# Altium PCB ADAM202303_BACKDOOR.PcbDoc (part 1 of 2) (continued)
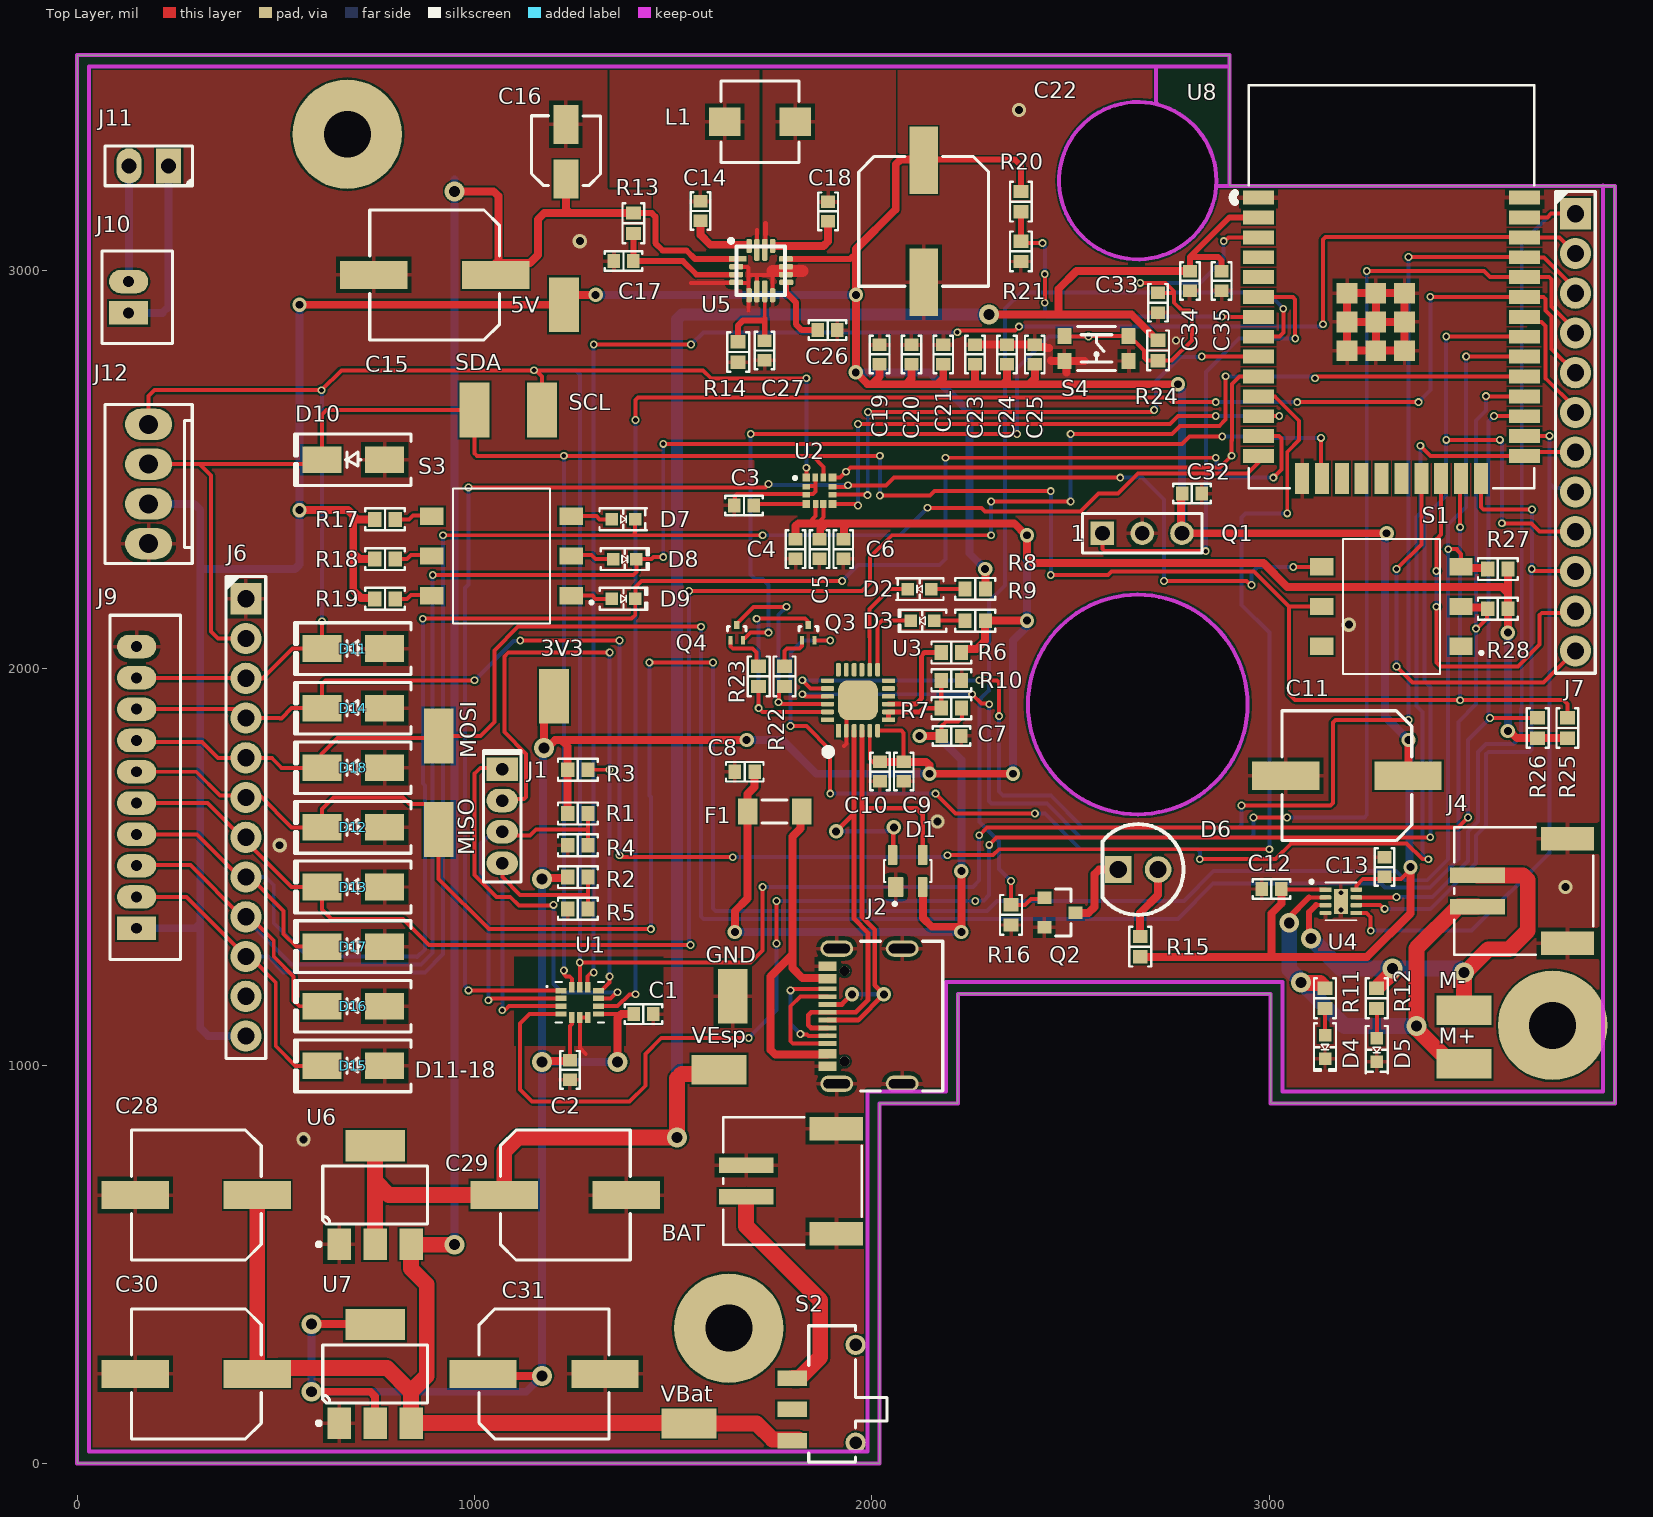
[diagram p0: Top Layer view]
## Part data (continued)
C17 C27: library part "CAP CER 22NF 15V 10% 0603", "CAP CER 22pF 15V 10% 0603, X7R", Device Package="0603 (1608 Metric)", manufacturer="Taiyo Yuden", Manufacturer Part Number 1=EMF107B7223KAHT, Operating Temperature="-55°C ~ 125°C", Ratings=AEC-Q200, Supplier Part Number 1=587-6552-1-ND, Temperature Coefficient=X7R, Tolerance=±10%, Voltage - Rated=16V, ADAM Inventory Number 1=E00057, Applications="Automotive, SMPS Filtering", Capacitance=22nF, componentlink1description=Datasheet, componentlink1url=https://ds.yuden.co.jp/TYCOMPAS/ut/detail?pn=EMF107B7223KAHT&u=M, componentlink2description="DigiKey Link", componentlink2url=https://www.digikey.com/en/products/detail/taiyo-yuden/EMF107B7223KAHT/10379118, lastupdated="2023-04-09 19:08:51", Lifecycle Status=Active, Minimum Order=1, Mounting Type="Surface Mount, MLCC", Package / Case="0603 (1608 Metric)", packaging=TapeAndReel, Part Status=Active, partid=4621, price=0.02, series=M, Size / Dimension="0.063\" L x 0.031\" W (1.60mm x 0.80mm)", Supplier 1=DigiKey, Thickness (Max)="0.035\" (0.90mm)"
C19 C20: library part "CAP 10UF 6.3V", "CAP CER 10UF 6.3V X5R 0603", Device Package="0603 (1608 Metric)", manufacturer="Murata Electronics", Manufacturer Part Number 1=GRM188R60J106ME47D, Operating Temperature="-55°C ~ 85°C", Supplier Part Number 1=490-3896-1-ND, Temperature Coefficient=X5R, Tolerance=±20%, Voltage - Rated=6.3V, ADAM Inventory Number 1=E00064, Applications="General Purpose", Capacitance="10 µF", componentlink1description=Datasheet, componentlink1url=https://www.murata.com/~/media/webrenewal/support/library/catalog/products/capacitor/mlcc/c02e.ashx?la=en-us, componentlink2description="DigiKey Link", componentlink2url=https://www.digikey.com/en/products/detail/murata-electronics/GRM188R60J106ME47D/965910, lastupdated="2023-03-30 19:09:15", Lifecycle Status=Active, Minimum Order=1, Mounting Type="Surface Mount, MLCC", Package / Case="0603 (1608 Metric)", packaging=TapeAndReel, Part Status=Active, partid=2351, price=0.02, series=GRM, Size / Dimension="0.063\" L x 0.031\" W (1.60mm x 0.80mm)", Supplier 1=DigiKey, Thickness (Max)="0.035\" (0.90mm)"
C23 C24 C25: library part "NA Cap 0603", "No capacitor, just in case", ADAM Inventory Number 1=E00080
C35: library part "CAP CER 10UF 6.3V", "CAP CER 10UF 6.3V X5R 0603", Device Package="0603 (1608 Metric)", manufacturer="Murata Electronics", Manufacturer Part Number 1=GRM188R60J106ME47D, Operating Temperature="-55°C ~ 85°C", Supplier Part Number 1=490-3896-1-ND, Temperature Coefficient=X5R, Tolerance=±20%, Voltage - Rated=6.3V, ADAM Inventory Number 1=E00059, Applications="General Purpose", Capacitance="10 µF", componentlink1description=Datasheet, componentlink1url=https://www.murata.com/~/media/webrenewal/support/library/catalog/products/capacitor/mlcc/c02e.ashx?la=en-us, componentlink2description="DigiKey Link", componentlink2url=https://www.digikey.com/en/products/detail/murata-electronics/GRM188R60J106ME47D/965910, lastupdated="2023-03-30 19:09:15", Lifecycle Status=Active, Minimum Order=1, Mounting Type="Surface Mount, MLCC", Package / Case="0603 (1608 Metric)", packaging=TapeAndReel, Part Status=Active, partid=2351, price=0.02, series=GRM, Size / Dimension="0.063\" L x 0.031\" W (1.60mm x 0.80mm)", Supplier 1=DigiKey, Thickness (Max)="0.035\" (0.90mm)"
D1: "8.5V Clamp Ipp Tvs Diode Surface Mount SOT-143-4", manufacturer=Littelfuse, Manufacturer Part Number 1=SP0503BAHTG, ADAM Inventory Number 1=E00006, Component Type=Diodes
D2 D5 D7: library part "0603 RED LED", "0603 RED LED", Current - Test=20mA, Device Package="0603 (1608 Metric)", Lens Color=Colorless, manufacturer="American Bright Optoelectronics Corporation", Manufacturer Part Number 1=BL-HUB36A-AV-TRB, Millicandela Rating=94mcd, Supplier Device Package=0603, Supplier Part Number 1=BL-HUB36A-AV-TRBCT-ND, Voltage - Forward (Vf) (Typ)=2.2V, ADAM Inventory Number 1=E00069, Color=Red, componentlink1description=Datasheet, componentlink1url=https://americanbrightled.com/pdffiles/smt/BL-HUB36A-AV-TRB.pdf, componentlink2description="DigiKey Link", componentlink2url=https://www.digikey.com/en/products/detail/american-bright-optoelectronics-corporation/BL-HUB36A-AV-TRB/9678174, Configuration=Standard, Height (Max)=0.70mm, lastupdated="2023-03-27 19:53:19", Lens Style="Rectangle with Flat Top", Lens Transparency=Clear, Lifecycle Status=Active, Minimum Order=1, Mounting Type="Surface Mount", Package / Case="0603 (1608 Metric)", packaging=TapeAndReel, Part Status=Active, partid=1020, price=0.04, series=-, Size / Dimension="1.60mm L x 0.80mm W", Supplier 1=DigiKey, Viewing Angle=120°, Wavelength - Dominant=632nm, Wavelength - Peak=645nm
D3: library part "0603 YELLOW LED", "0603 YELLOW", Current - Test=20mA, Device Package="0603 (1608 Metric)", Lens Color=Colorless, manufacturer="American Bright Optoelectronics Corporation", Manufacturer Part Number 1=BL-HKC36D-AV-TRB, Millicandela Rating=120mcd, Supplier Device Package=0603, Supplier Part Number 1=BL-HKC36D-AV-TRBCT-ND, Voltage - Forward (Vf) (Typ)=2V, ADAM Inventory Number 1=E00068, Color=Yellow, componentlink1description=Datasheet, componentlink1url=http://americanbrightled.com/pdffiles/smt/BL-HKC36D-AV-TRB.pdf, componentlink2description="DigiKey Link", componentlink2url=https://www.digikey.com/en/products/detail/american-bright-optoelectronics-corporation/BL-HKC36D-AV-TRB/9678175, Configuration=0603, Height (Max)=0.85mm, lastupdated="2023-03-27 19:54:01", Lens Size="0.87mm x 0.80mm", Lens Style="Rectangle with Flat Top", Lens Transparency=Clear, Lifecycle Status=Active, Minimum Order=1, Mounting Type="Surface Mount", Package / Case="0603 (1608 Metric)", packaging=TapeAndReel, Part Status=Active, partid=82, price=0.04, series=-, Size / Dimension="1.60mm L x 0.80mm W", Supplier 1=DigiKey, Viewing Angle=120°, Wavelength - Dominant=589nm, Wavelength - Peak=590nm
D4 D8: library part "0603 GREEN LED", "LED GREEN 0603 SMD", Current - Test=20mA, Device Package="0603 (1608 Metric)", Lens Color=1.24mm, manufacturer=Dialight, Manufacturer Part Number 1=5973316507F, Millicandela Rating=34mcd, Supplier Device Package=0603, Supplier Part Number 1=350-4373-1-ND, Voltage - Forward (Vf) (Typ)=2V, ADAM Inventory Number 1=E00070, Color=Green, componentlink1description=Datasheet, componentlink1url=http://www.dialightsignalsandcomponents.com/Assets/Drawings/2D_Drawings_DrawingDetailedSpec/NewDrawings/C18371C.pdf, componentlink2description="DigiKey Link", componentlink2url=https://www.digikey.com/en/products/detail/dialight/5973316507F/9385428, Configuration=Standard, Height (Max)=1.24mm, lastupdated="2023-03-27 19:52:49", Lens Style="Round with Domed Top", Lifecycle Status=Active, Minimum Order=1, Mounting Type="Surface Mount", Package / Case="0603 (1608 Metric)", packaging=TapeAndReel, Part Status=Active, partid=587, price=0.13, series=597, Size / Dimension="1.60mm L x 0.80mm W", Supplier 1=DigiKey, Wavelength - Dominant=560nm
D6: "Infrared (IR) Emitter 940nm 1.35V 100mA 80mW/sr @ 100mA 20° Radial, 5mm Dia (T 1 3/4)", ADAM Inventory Number 1=E00047, Manufacturer Part Number 1=TSAL6100
D9: library part "0603 BLUE LED", "Blue 470nm LED Indication - Discrete 3.3V 0603 (1608 Metric)", Manufacturer Part Number 1=APT1608LVBC/D, Supplier Part Number 1=754-1933-1-ND, ADAM Inventory Number 1=E00071, Supplier 1=Digi-Key
D10 D11 D12 D13 D14 D15 D16 D17 D18: "TVS DIODE 30.8V 49.9V DO214AC", Current - Peak Pulse (10/1000µs)=8.4A, manufacturer="Taiwan Semiconductor Corporation", Manufacturer Part Number 1="P4SMA36CA R3G", Operating Temperature="-55°C ~ 150°C (TJ)", Package / Case="DO-214AC, SMA", Power - Peak Pulse=400W, Power Line Protection=No, Supplier Device Package="DO-214AC (SMA)", Supplier Part Number 1=P4SMA36CAR3GCT-ND, Voltage - Breakdown (Min)=34.2V, Voltage - Clamping (Max) @ Ipp=49.9V, Voltage - Reverse Standoff (Typ)=30.8V, Applications="General Purpose", Bidirectional Channels=1, componentlink1description=Datasheet, componentlink1url=https://www.taiwansemi.com/products/datasheet/P4SMA%20SERIES_Q1705.pdf, componentlink2description="DigiKey Link", componentlink2url=http://digikey.com/product-detail/en/taiwan-semiconductor-corporation/P4SMA36CA-R3G/P4SMA36CAR3GCT-ND/7357928, lastupdated="2023-04-16 20:19:58", Lifecycle Status=Active, Minimum Order=1, Mounting Type="Surface Mount", packaging=TapeAndReel, Part Status=Active, partid=7281, price=0.11, series=P4SMA, Supplier 1=DigiKey, Type=Zener
F1: "FUSE BOARD MNT 500MA 125VAC/VDC", Breaking Capacity @ Rated Voltage=50A, Current Rating (Amps)=500mA, Device Package="1206 (3216 Metric)", manufacturer="Schurter Inc.", Manufacturer Part Number 1=3413.0113.22, Operating Temperature="-55°C ~ 90°C", Supplier Part Number 1=486-1675-1-ND, Voltage Rating - AC=125V, ADAM Inventory Number 1=E00043, Approval Agency=cURus, Approvals=cURus, componentlink1description=Datasheet, componentlink1url=http://www.schurterinc.com/bundles/snceschurter/epim/_ProdPool_/newDS/en/typ_USF_1206.pdf, componentlink2description="DigiKey Link", componentlink2url=http://digikey.com/product-detail/en/schurter-inc/3413.0113.22/486-1675-1-ND/2870075, Fuse Type="Board Mount (Cartridge Style Excluded)", lastupdated="2020-09-02 01:30:41", Lifecycle Status=Active, Melting I²t=0.02, Minimum Order=1, Mounting Type="Surface Mount", Package / Case="1206 (3216 Metric)", packaging=TapeAndReel, Part Status=Active, price=0.24, Response Time="Fast Blow", series="USF 1206", Size / Dimension="0.126\" L x 0.063\" W x 0.024\" H (3.20mm x 1.60mm x 0.60mm)", Supplier 1=DigiKey, Voltage Rating - DC=125V
J1: library part "CONN FEM HEADER 4POS", "CONN HDR 4POS 0.079 GOLD", Current Rating (Amps)=2A, Insulation Color=Black, manufacturer="Sullins Connector Solutions", Material Flammability Rating="UL94 V-0", Operating Temperature="-40°C ~ 105°C", Supplier Part Number 1=S5751-04-ND, ADAM Inventory Number 1=E00054, componentlink1description=Datasheet, componentlink1url=https://drawings-pdf.s3.amazonaws.com/10483.pdf, componentlink2description="DigiKey Link", componentlink2url=https://www.digikey.com/en/products/detail/sullins-connector-solutions/NPPN041BFCN-RC/804806, Connector Type=Header, Contact Finish - Mating=Gold, Contact Finish - Post=Gold, Contact Finish Thickness - Mating=Flash, Contact Length - Post="0.094\" (2.40mm)", Contact Type="Female Socket", Fastening Type=Push-Pull, Insulation Height="0.173\" (4.40mm)", lastupdated="2022-06-21 14:42:51", Lifecycle Status=Active, Manufacturer Part Number 1=NPPN041BFCN-RC, Minimum Order=1, Mounting Type="Through Hole", Number of Positions=4, Number of Positions Loaded=All, Number of Rows=1, packaging=Tube, Part Status=Active, Pitch - Mating="0.079\" (2.00mm)", price=0.30, series=-, Style="Board to Board", Supplier 1=DigiKey, Termination=Solder
J2: library part "USB C", "USB-C (USB TYPE-C) USB 2.0 Receptacle Connector 24 (16+8 Dummy) Position Surface Mount, Right Angle; Through Hole", Supplier Part Number 1=86AH2021, ADAM Inventory Number 1=E00005, Manufacturer Part Number 1=USB4105-GF-A, Supplier 1=Newark
J6 J7: library part "12PO FEM HEADER", "CONN RCPT 12POS 0.1 GOLD PCB", Current Rating (Amps)=3A, Insulation Color=Black, manufacturer="Harwin Inc.", Material Flammability Rating="UL94 V-0", Operating Temperature="-40°C ~ 105°C", Supplier Part Number 1=S6100-ND, ADAM Inventory Number 1=E00067, componentlink1description=Datasheet, componentlink1url=https://cdn.harwin.com/pdfs/C001XX_M20_Series_Connectors.pdf, componentlink2description="DigiKey Link", componentlink2url=http://digikey.com/product-detail/en/harwin-inc/M20-7821242/952-1852-ND/3727819, Connector Type=Receptacle, Contact Finish - Mating=Gold, Contact Finish - Post=Tin, Contact Finish Thickness - Mating=Flash, Contact Type="Female Socket", Fastening Type=Push-Pull, lastupdated="2022-09-21 18:59:31", Lifecycle Status=Active, Manufacturer Part Number 1=PPTC121LFBN-RC, Mated Stacking Heights="11.04mm, 12.63mm", Minimum Order=5004, Mounting Type="Through Hole", Number of Positions=12, Number of Positions Loaded=All, Number of Rows=1, packaging=Tube, Part Status=Active, price=0.74, series=M20, Style="Board to Board or Cable", Supplier 1=Digi-Key, Termination=Solder
J9: library part "CONN JST 10POS TH", "CONN HEADER VERT 10POS 2MM", Current Rating (Amps)=2A, Insulation Color=Natural, manufacturer="JST Sales America Inc.", Material Flammability Rating="UL94 V-0", Operating Temperature="-25°C ~ 85°C", Supplier Part Number 1=455-1712-ND, Voltage Rating=100V, ADAM Inventory Number 1=E00053, componentlink1description=Datasheet, componentlink1url=http://www.jst-mfg.com/product/pdf/eng/ePH.pdf, componentlink2description="DigiKey Link", componentlink2url=http://digikey.com/product-detail/en/jst-sales-america-inc/B10B-PH-K-S-LF-SN/455-1712-ND/926619, Connector Type=Header, Contact Finish - Mating=Tin, Contact Finish - Post=Tin, Contact Length - Mating="0.130\" (3.30mm)", Contact Length - Post="0.134\" (3.40mm)", Contact Material=Brass, Contact Shape=Square, Contact Type="Male Pin", Fastening Type="Detent Lock", Insulation Height="0.236\" (6.00mm)", Insulation Material="Polyamide (PA66), Nylon 6/6", lastupdated="2020-01-12 22:31:09", Lifecycle Status=Active, Manufacturer Part Number 1=B10B-PH-K-S(LF)(SN), Minimum Order=1, Mounting Type="Through Hole", Number of Positions=10, Number of Positions Loaded=All, Number of Rows=1, Overall Contact Length="0.333\" (8.45mm)", packaging=Bulk, Part Status=Active, partid=33, Pitch - Mating="0.079\" (2.00mm)", price=0.46, series=PH, Shrouding="Shrouded - 4 Wall", Style="Board to Cable/Wire", Supplier 1=DigiKey, Termination="Press-Fit, Solder"
J10: library part "CONN JST 2PIN TH", "CONN HEADER VERT 2POS 2MM", Current Rating (Amps)=2A, Insulation Color=Natural, manufacturer="JST Sales America Inc.", Material Flammability Rating="UL94 V-0", Operating Temperature="-25°C ~ 85°C", Supplier Part Number 1=455-1704-ND, Voltage Rating=100V, ADAM Inventory Number 1=E00051, componentlink1description=Datasheet, componentlink1url=http://www.jst-mfg.com/product/pdf/eng/ePH.pdf, componentlink2description="DigiKey Link", componentlink2url=http://digikey.com/product-detail/en/jst-sales-america-inc/B2B-PH-K-S-LF-SN/455-1704-ND/926611, Connector Type=Header, Contact Finish - Mating=Tin, Contact Finish - Post=Tin, Contact Length - Mating="0.130\" (3.30mm)", Contact Length - Post="0.134\" (3.40mm)", Contact Material=Brass, Contact Shape=Square, Contact Type="Male Pin", Fastening Type="Detent Lock", Insulation Height="0.236\" (6.00mm)", Insulation Material="Polyamide (PA66), Nylon 6/6", lastupdated="2020-01-03 23:40:58", Lifecycle Status=Active, Manufacturer Part Number 1=B2B-PH-K-S(LF)(SN), Minimum Order=1, Mounting Type="Through Hole", Number of Positions=2, Number of Positions Loaded=All, Number of Rows=1, Overall Contact Length="0.333\" (8.45mm)", packaging=Bulk, Part Status=Active, partid=11, Pitch - Mating="0.079\" (2.00mm)", price=0.17, series=PH, Shrouding="Shrouded - 4 Wall", Style="Board to Cable/Wire", Supplier 1=DigiKey, Termination="Press-Fit, Solder"
J11: library part "CONN FEM HEADER 2POS", "CONN RCPT 2POS 0.1 TIN", Current Rating (Amps)="5.7A per Contact", Insulation Color=Black, manufacturer="Samtec Inc.", Material Flammability Rating="UL94 V-0", Operating Temperature="-55°C ~ 105°C", Supplier Part Number 1=SSW-102-03-T-S-ND, ADAM Inventory Number 1=E00055, componentlink2description="DigiKey Link", componentlink2url=http://digikey.com/product-detail/en/samtec-inc/SSW-102-03-T-S/SSW-102-03-T-S-ND/7873010, Connector Type=Receptacle, Contact Finish - Mating=Tin, Contact Finish - Post=Tin, Contact Type=Forked, Fastening Type=Push-Pull, lastupdated="2022-06-21 15:06:02", Lifecycle Status=Active, Manufacturer Part Number 1=SSW-102-03-T-S, Minimum Order=1, Mounting Type="Through Hole", Number of Positions=2, Number of Positions Loaded=All, Number of Rows=1, packaging=Bulk, Part Status=Active, price=0.53, series=SSW, Style="Board to Board or Cable", Supplier 1=DigiKey, Termination=Solder
J12: Manufacturer Part Number 1=0022272041, Supplier Part Number 1=538-22-27-2041, ADAM Inventory Number 1=E00077, Supplier 1=Mouser
L1: library part "IND 4.7UH 4.6A", "FIXED IND 4.7UH 4.6A 53 MOHM SMD", Current - Saturation=6A, Current Rating (Amps)="4.6 A", DC Resistance (DCR)="53mOhm Max", Device Package=Nonstandard, Inductance Frequency - Test="100 kHz", manufacturer="Bourns Inc.", Manufacturer Part Number 1=SRP5030T-4R7M, Operating Temperature="-40°C ~ 125°C", Supplier Part Number 1=SRP5030T-4R7MCT-ND, Tolerance=±20%, ADAM Inventory Number 1=E00042, componentlink1description=Datasheet, componentlink1url=https://www.bourns.com/docs/Product-Datasheets/SRP5030T.pdf, componentlink2description="DigiKey Link", componentlink2url=https://www.digikey.com/en/products/detail/bourns-inc/SRP5030T-4R7M/3986084, Height - Seated (Max)="0.118\" (3.00mm)", Inductance="4.7 µH", lastupdated="2023-04-08 20:02:33", Lifecycle Status=Active, Material - Core="Iron Powder", Minimum Order=1, Mounting Type="Surface Mount", Package / Case=Nonstandard, packaging=TapeAndReel, Part Status=Active, partid=1, price=0.61, series=SRP5030T, Shielding=Shielded, Size / Dimension="0.224\" L x 0.205\" W (5.70mm x 5.20mm)", Supplier 1=DigiKey, Type="Drum Core, Wirewound"
Q1: library part "TSSP4038IR Sensor", "Remote Receiver Sensor 38.0kHz 45m Through Hole", Supplier Part Number 1=TSSP4038-ND, ADAM Inventory Number 1=E00079, Manufacturer Part Number 1=TSSP4038, Supplier 1=Digi-Key
Q2: library part "TRANS N-CHANNEL 30V 5.8A SOT23", "N-Channel 5.8A (Tj) 350mW Surface Mount SOT-23", manufacturer=MCC, Manufacturer Part Number 1=SI3404-TP, Supplier Part Number 1=DMN3051LDICT-ND, ADAM Inventory Number 1=E00008, Component Type=Transistors, Design Item ID="TRANS N-CHANNEL 30V 5.8A SOT23", Source=IC_Component.SchLib, Supplier 1=Digi-Key
Q3 Q4: library part "TRANS NPN 40V", "TRANS NPN 40V 0.6A SOT-723", Current - Collector (Ic) (Max)=600mA, Current - Collector Cutoff (Max)="10nA (ICBO)", DC Current Gain (hFE) (Min) @ Ic, Vce="100 @ 150mA, 10V", Frequency - Transition=300MHz, manufacturer="ON Semiconductor", Operating Temperature="-55°C ~ 150°C (TJ)", Package / Case=SOT-723, Power - Max=640mW, Supplier Part Number 1=MMBT2222AM3T5GOSCT-ND, Voltage - Collector Emitter Breakdown (Max)=40V, ADAM Inventory Number 1=E00007, componentlink1description=Datasheet, componentlink1url=http://www.onsemi.com/pub/Collateral/MMBT2222AM3-D.PDF, componentlink2description="DigiKey Link", componentlink2url=http://digikey.com/product-detail/en/on-semiconductor/MMBT2222AM3T5G/MMBT2222AM3T5GOSCT-ND/3487571, lastupdated="2023-03-28 20:16:11", Lifecycle Status=Active, Manufacturer Part Number 1=MMBT2222AM3T5G, Minimum Order=1, Mounting Type="Surface Mount", packaging=TapeAndReel, Part Status=Active, partid=22, price=0.03, series=-, Supplier 1=DigiKey, Supplier Device Package=SOT-723, Transistor Type=NPN, Vce Saturation (Max) @ Ib, Ic="1V @ 50mA, 500mA"
R1 R2 R3 R4 R5: library part "NA Res 0603", "No resistance, just in case", Manufacturer Part Number 1=RC0603JR-070RL, Supplier Part Number 1=311-0.0GRCT-ND, ADAM Inventory Number 1=E00032, Supplier 1=Digi-Key
R6 R9: library part "RES SMD 1K OHM", "RES 1K OHM 1% 1/4W 0603", Device Package="0603 (1608 Metric)", manufacturer=Yageo, Manufacturer Part Number 1=SR0603FR-7T1KL, Operating Temperature="-55°C ~ 155°C", Power (Watts)="0.25W, 1/4W", Ratings=AEC-Q200, Supplier Device Package=0603, Supplier Part Number 1=YAG5829CT-ND, Temperature Coefficient=±100ppm/°C, Tolerance=±1%, ADAM Inventory Number 1=E00028, componentlink1description=Datasheet, componentlink1url=http://www.yageo.com/documents/recent/PYu-SR_D_F%20tol_RoHS_L_4.pdf, componentlink2description="DigiKey Link", componentlink2url=https://www.digikey.com/en/products/detail/yageo/SR0603FR-7T1KL/9373103, Composition="Thick Film", Features="Automotive AEC-Q200, Pulse Withstanding", Height - Seated (Max)="0.022\" (0.55mm)", lastupdated="2023-03-28 19:29:47", Lifecycle Status=Active, Minimum Order=1, Number of Terminations=2, Package / Case="0603 (1608 Metric)", packaging=TapeAndReel, Part Status=Active, partid=10088, price=0.16, Resistance=1K, series=SR, Size / Dimension="0.063\" L x 0.031\" W (1.60mm x 0.80mm)", Supplier 1=DigiKey
R7: library part "RES SMD 22.1K OHM", "RES 22.1K OHM 1% 1/10W 0603", Device Package="0603 (1608 Metric)", manufacturer="Stackpole Electronics Inc", Manufacturer Part Number 1=RMCF0603FT22K1, Operating Temperature="-55°C ~ 155°C", Power (Watts)="0.1W, 1/10W", Ratings=AEC-Q200, Supplier Device Package=0603, Supplier Part Number 1=RMCF0603FT22K1CT-ND, Temperature Coefficient=±100ppm/°C, Tolerance=±1%, ADAM Inventory Number 1=E00027, componentlink1description=Datasheet, componentlink1url=https://www.seielect.com/catalog/sei-rmcf_rmcp.pdf, componentlink2description="DigiKey Link", componentlink2url=https://www.digikey.com/en/products/detail/stackpole-electronics-inc/RMCF0603FT22K1/1760764, Composition="Thick Film", Features="Automotive AEC-Q200", Height - Seated (Max)="0.022\" (0.55mm)", lastupdated="2023-03-27 19:26:47", Lifecycle Status=Active, Minimum Order=1, Number of Terminations=2, Package / Case="0603 (1608 Metric)", packaging=CutTape, Part Status=Active, partid=6076, price=0.01, Resistance=22.1K, series=RMCF, Size / Dimension="0.061\" L x 0.031\" W (1.55mm x 0.80mm)", Supplier 1=DigiKey
R8 R11 R12 R17 R18: library part "RES SMD 150 OHM", "RES SMD 150 OHM 0.1% 1/8W 0603", Device Package="0603 (1608 Metric)", manufacturer="Vishay Beyschlag", Manufacturer Part Number 1=RC0603FR-07150RL, Operating Temperature="-55°C ~ 155°C", Power (Watts)="0.125W, 1/8W", Ratings=AEC-Q200, Supplier Device Package=0603, Supplier Part Number 1=1201284, Temperature Coefficient=±25ppm/°C, Tolerance=±0.1%, ADAM Inventory Number 1=E00020, componentlink1description=Datasheet, componentlink1url=http://www.vishay.com/docs/28785/mcat_pre.pdf, componentlink2description="DigiKey Link", componentlink2url=http://digikey.com/product-detail/en/vishay-beyschlag/MCT0603MD1500BP100/MCT0603-150-MBCT-ND/2092134, Composition="Thin Film", Features="Anti-Sulfur, Automotive AEC-Q200", Height - Seated (Max)="0.022\" (0.55mm)", lastupdated="2023-04-04 19:29:46", Lifecycle Status=Active, Minimum Order=1, Number of Terminations=2, Package / Case="0603 (1608 Metric)", packaging=TapeAndReel, Part Status=Active, partid=5246, price=0.23, Resistance=150R, series="MCT AT - Precision", Size / Dimension="0.061\" L x 0.033\" W (1.55mm x 0.85mm)", Supplier 1="Future Electronics"
R10: library part "RES SMD 47K OHM", "RES SMD 47K OHM 5% 1/4W 0603", Device Package="0603 (1608 Metric)", manufacturer="Vishay Dale", Manufacturer Part Number 1=AC0603FR-0747KL, Operating Temperature="-55°C ~ 155°C", Power (Watts)="0.25W, 1/4W", Ratings=AEC-Q200, Supplier Device Package=0603, Supplier Part Number 1=8029293, Temperature Coefficient=±200ppm/°C, Tolerance=±5%, ADAM Inventory Number 1=E00017, componentlink1description=Datasheet, componentlink1url=http://www.vishay.com/docs/20065/rcse3.pdf, componentlink2description="DigiKey Link", componentlink2url=https://www.digikey.com/en/products/detail/vishay-dale/RCS060347K0JNEA/5866965, Composition="Thick Film", Features="Automotive AEC-Q200, Pulse Withstanding", Height - Seated (Max)="0.020\" (0.50mm)", lastupdated="2023-03-27 19:26:49", Lifecycle Status=Active, Minimum Order=1, Number of Terminations=2, Package / Case="0603 (1608 Metric)", packaging=TapeAndReel, Part Status=Active, partid=5445, price=0.02, Resistance=47K, series="RCS e3", Size / Dimension="0.061\" L x 0.033\" W (1.55mm x 0.85mm)", Supplier 1="Future Electronics"
R13: library part "RES SMD 499K OHM", "RES SMD 499K OHM 1% 1/4W 0603", Device Package="0603 (1608 Metric)", manufacturer="Vishay Dale", Manufacturer Part Number 1=RC0603FR-07499KL, Operating Temperature="-55°C ~ 155°C", Power (Watts)="0.25W, 1/4W", Ratings=AEC-Q200, Supplier Device Package=0603, Supplier Part Number 1=1580604, Temperature Coefficient=±100ppm/°C, Tolerance=±1%, ADAM Inventory Number 1=E00016, componentlink1description=Datasheet, componentlink1url=http://www.vishay.com/docs/20043/crcwhpe3.pdf, componentlink2description="DigiKey Link", componentlink2url=http://digikey.com/product-detail/en/vishay-dale/CRCW0603499KFKEAHP/541-499KSCT-ND/5326850, Composition="Thick Film", Features="Automotive AEC-Q200, Pulse Withstanding", Height - Seated (Max)="0.022\" (0.55mm)", lastupdated="2023-04-09 19:29:36", Lifecycle Status=Active, Minimum Order=1, Number of Terminations=2, Package / Case="0603 (1608 Metric)", packaging=TapeAndReel, Part Status=Active, partid=14787, price=0.02, Resistance=499K, series=CRCW-HP, Size / Dimension="0.063\" L x 0.033\" W (1.60mm x 0.85mm)", Supplier 1="Future Electronics"
R14: library part "RES SMD 21.5K OHM", "RES SMD 21.5K OHM 0.1% 1/5W 0603", Device Package="0603 (1608 Metric)", manufacturer="Panasonic Electronic Components", Manufacturer Part Number 1=CRCW0603321K5FKEA, Operating Temperature="-55°C ~ 155°C", Power (Watts)="0.2W, 1/5W", Ratings=AEC-Q200, Supplier Device Package=0603, Supplier Part Number 1=71-CRCW0603-21.5K-E3, Temperature Coefficient=±50ppm/°C, Tolerance=±0.1%, ADAM Inventory Number 1=E00018, componentlink1description=Datasheet, componentlink1url=https://industrial.panasonic.com/cdbs/www-data/pdf/RDM0000/AOA0000C328.pdf, componentlink2description="DigiKey Link", componentlink2url=https://www.digikey.com/en/products/detail/panasonic-electronic-components/ERJ-PB3B2152V/6212904, Composition="Thick Film", Features="Automotive AEC-Q200, Pulse Withstanding", Height - Seated (Max)="0.022\" (0.55mm)", lastupdated="2023-04-09 19:29:59", Lifecycle Status=Active, Minimum Order=1, Number of Terminations=2, Package / Case="0603 (1608 Metric)", packaging=TapeAndReel, Part Status=Active, partid=9207, price=0.02, Resistance=21.5K, series=ERJ-PB3, Size / Dimension="0.063\" L x 0.031\" W (1.60mm x 0.80mm)", Supplier 1=Mouser
R15: library part "RES SMD 30 OHM", "RES 30 OHM 1% 1/3W 0603", Device Package="0603 (1608 Metric)", manufacturer="KOA Speer Electronics, Inc.", Manufacturer Part Number 1=SG73P1JTTD30R0F, Operating Temperature="-55°C ~ 155°C", Power (Watts)="0.333W, 1/3W", Ratings=AEC-Q200, Supplier Device Package=0603, Supplier Part Number 1=2019-SG73P1JTTD30R0FCT-ND, Temperature Coefficient=±200ppm/°C, Tolerance=±1%, ADAM Inventory Number 1=E00026, componentlink1description=Datasheet, componentlink1url=https://www.koaspeer.com/pdfs/SG73P.pdf, componentlink2description="DigiKey Link", componentlink2url=https://www.digikey.com/en/products/detail/koa-speer-electronics-inc/SG73P1JTTD30R0F/10188343, Composition="Thick Film", Features="Automotive AEC-Q200, Pulse Withstanding", Height - Seated (Max)="0.022\" (0.55mm)", lastupdated="2023-04-03 19:29:12", Lifecycle Status=Active, Minimum Order=1, Number of Terminations=2, Package / Case="0603 (1608 Metric)", packaging=TapeAndReel, Part Status=Active, partid=62768, price=0.01, Resistance=30R, series=SG73P, Size / Dimension="0.063\" L x 0.031\" W (1.60mm x 0.80mm)", Supplier 1=DigiKey
R16 R22 R23 R24 R25 R26 R27 R28: library part "RES SMD 10K OHM", "RES SMD 10K OHM 1% 1/10W 0603", Device Package="0603 (1608 Metric)", manufacturer="Rohm Semiconductor", Manufacturer Part Number 1=RC0603FR-0710KL, Operating Temperature="-55°C ~ 155°C", Power (Watts)="0.25W, 1/4W", Ratings=AEC-Q200, Supplier Device Package=0603, Supplier Part Number 1=3349388, Temperature Coefficient=±100ppm/°C, Tolerance=±1%, ADAM Inventory Number 1=E00021, componentlink1description=Datasheet, componentlink1url=https://www.rohm.com/datasheet/ESR01MZPF/esr-e, componentlink2description="DigiKey Link", componentlink2url=https://www.digikey.com/en/products/detail/rohm-semiconductor/ESR03EZPF1002/1983429, Composition="Thick Film", Features="Automotive AEC-Q200, Pulse Withstanding", Height - Seated (Max)="0.022\" (0.55mm)", lastupdated="2023-03-27 19:26:49", Lifecycle Status=Active, Minimum Order=1, Number of Terminations=2, Package / Case="0603 (1608 Metric)", packaging=TapeAndReel, Part Status=Active, partid=5466, price=0.02, Resistance=10K, series=ESR, Size / Dimension="0.063\" L x 0.031\" W (1.60mm x 0.80mm)", Supplier 1="Future Electronics"
R19: library part "RES SMD 100 OHM", "RESISTOR 100 Ohm SMD 1% 1/10W", Device Package="0603 (1608 Metric)", manufacturer=Yageo, Manufacturer Part Number 1=AC0603FR-10100RL, Operating Temperature="-55°C ~ 155°C", Power (Watts)="0.1W, 1/10W", Ratings=AEC-Q200, Supplier Device Package=0603, Supplier Part Number 1=13-AC0603FR-10100RLCT-ND, Temperature Coefficient=±100ppm/°C, Tolerance=±1%, ADAM Inventory Number 1=E00023, componentlink1description=Datasheet, componentlink1url=https://www.yageo.com/upload/media/product/productsearch/datasheet/rchip/PYu-AC_51_RoHS_L_8.pdf, componentlink2description="DigiKey Link", componentlink2url=https://www.digikey.com/en/products/detail/yageo/AC0603FR-10100RL/14286596, Composition="Thick Film", Features="Automotive AEC-Q200", Height - Seated (Max)="0.022\" (0.55mm)", lastupdated="2023-04-09 19:28:34", Lifecycle Status=Active, Minimum Order=1, Number of Terminations=2, Package / Case="0603 (1608 Metric)", packaging=CutTape, Part Status=Active, partid=64201, price=0.01, Resistance=100R, series=AC, Size / Dimension="0.063\" L x 0.031\" W (1.60mm x 0.80mm)", Supplier 1=DigiKey
R20 R21: library part "RES SMD 100K OHM", "RES SMD 100K OHM 1% 1/4W 0603", Device Package="0603 (1608 Metric)", manufacturer="Vishay Dale", Manufacturer Part Number 1=RC0603FR-07100KL, Operating Temperature="-55°C ~ 155°C", Power (Watts)="0.25W, 1/4W", Ratings=AEC-Q200, Supplier Device Package=0603, Supplier Part Number 1=3697448, Temperature Coefficient=±100ppm/°C, Tolerance=±1%, ADAM Inventory Number 1=E00022, componentlink1description=Datasheet, componentlink1url=http://www.vishay.com/docs/20065/rcse3.pdf, componentlink2description="DigiKey Link", componentlink2url=https://www.digikey.com/en/products/detail/vishay-dale/RCS0603100KFKEA/5866946, Composition="Thick Film", Features="Automotive AEC-Q200, Pulse Withstanding", Height - Seated (Max)="0.020\" (0.50mm)", lastupdated="2023-03-27 19:26:49", Lifecycle Status=Active, Minimum Order=1, Number of Terminations=2, Package / Case="0603 (1608 Metric)", packaging=TapeAndReel, Part Status=Active, partid=5363, price=0.02, Resistance=100K, series="RCS e3", Size / Dimension="0.061\" L x 0.033\" W (1.55mm x 0.85mm)", Supplier 1="Future Electronics"
S1 S3: "Dip Switch SPST 3 Position Surface Mount Slide (Standard) Actuator 25mA 24VDC", manufacturer=CUI, Manufacturer Part Number 1=DS04-254-2-03BK-SMT, Supplier Part Number 1=653-A6S-3102-H, ADAM Inventory Number 1=E00009, Component Type=Switches, Design Item ID="Switch SLIDE SPDT 3 pos", Source=IC_Component.SchLib, Supplier 1=Mouser
S2: library part "SLIDE SWIT", "SMT 8.7 X 3.0 MM MINI SLIDE SWIT", Current Rating (Amps)="300mA (DC)", manufacturer="Würth Elektronik", Operating Temperature="-40°C ~ 85°C", Rated Current=300mA, Rated Voltage=5VDC, Supplier Part Number 1=732-450405020524CT-ND, Voltage Rating - DC="5 V", Actuator Length=2.00mm, Actuator Type=Standard, ADAM Inventory Number 1=E00013, Circuit=SPDT, componentlink1description=Datasheet, componentlink1url=https://www.we-online.com/catalog/datasheet/450405020524.pdf, componentlink2description="DigiKey Link", componentlink2url=https://www.digikey.com/en/products/detail/würth-elektronik/450405020524/11627297, Contact Finish=Silver, Contact Material="Copper Alloy", Contact Plating=Silver, Contact Timing="Non-Shorting (BBM)", lastupdated="2022-06-20 13:21:27", Lifecycle Status=Active, Manufacturer Part Number 1=450405020524, Minimum Order=1, Mounting Technology=SMT, Mounting Type="Surface Mount", packaging=TapeAndReel, Part Status=Active, partid=4, price=0.73, Published Date="November 2019", Publisher="Wurth Elektronik", series=WS-SLSU, Size=8.7x3mm, Supplier 1=DigiKey, Switch Function=On-On, Switching Function=On-On, Terminal Material="Copper Alloy", Terminal Plating=Silver, Termination Style="SMD (SMT) Tab"
S4: library part "Sw Lin", "SWITCH TACTILE SPST-NO 50MA 32V", Contact Rating @ Voltage="0.05A @ 32VDC", manufacturer=C&K, Operating Force=400gf, Operating Temperature="-40°C ~ 85°C", Supplier Part Number 1=CKN10688CT-ND, Actuator Height off PCB, Vertical=2.50mm, Actuator Orientation="Top Actuated", Actuator Type=Standard, ADAM Inventory Number 1=E00012, Circuit=SPST-NO, componentlink1description=Datasheet, componentlink1url=https://dznh3ojzb2azq.cloudfront.net/products/Tactile/KMR7/documents/datasheet.pdf, componentlink2description="DigiKey Link", componentlink2url=http://digikey.com/product-detail/en/c-k/KMR741NG-ULC-LFS/CKN10688CT-ND/6035360, Illumination=Non-Illuminated, Ingress Protection="IP67 - Dust Tight, Waterproof", lastupdated="2020-04-09 10:01:05", Lifecycle Status=Active, Manufacturer Part Number 1="KMR741NG ULC LFS", Minimum Order=1, Mounting Type="Surface Mount", Outline="4.20mm x 2.80mm", packaging=TapeAndReel, Part Status=Active, price=0.16, series=KMR7, Supplier 1=DigiKey, Switch Function=Off-Mom, Termination Style="Gull Wing"
U1: "Accelerometer, Gyroscope, Temperature, 6 Axis Sensor I²C, SPI Output", Supplier Part Number 1=497-16696-1-ND, ADAM Inventory Number 1=E00036, Manufacturer Part Number 1=LSM6DSMTR, Supplier 1=Digi-Key
U2: "Magnetoresistive Sensor X, Y, Z Axis 12-LGA (2x2)", Supplier Part Number 1=497-13892-1-ND, ADAM Inventory Number 1=E00037, Manufacturer Part Number 1=LIS3MDLTR, Supplier 1=Digi-Key
U3: "USB Interface IC USBXpress - USB to UART Bridge QFN24", manufacturer="Silicon Labs", Manufacturer Part Number 1=CP2102N-A02-GQFN24, ADAM Inventory Number 1=E00002, Component Type=Interface
U4: "Motor Driver NMOS PWM 8-WSON (2x2)", Supplier Part Number 1=296-44747-1-ND, ADAM Inventory Number 1=E00045, Manufacturer Part Number 1=DRV8837CDSGT, Supplier 1=Digi-Key
U5: "Buck-Boost Switching Regulator IC Positive Fixed 5V 1 Output 3A 16-PowerVFQFN", Supplier Part Number 1=1589-MP28167GQ-PCT-ND, ADAM Inventory Number 1=E00033, Manufacturer Part Number 1=MP28167GQ-P, Supplier 1=Digi-Key
U6 U7: "IC REG LINEAR 3.3V 800MA SOT223", Current - Output=800mA, Current - Quiescent (Iq)="10 mA", manufacturer=STMicroelectronics, Operating Temperature="0°C ~ 125°C", Package / Case="TO-261-4, TO-261AA", Supplier Device Package=SOT-223, Supplier Part Number 1=497-1242-1-ND, Voltage - Input (Max)=15V, Voltage - Output (Min/Fixed)=3.3V, Voltage Dropout (Max)="1.2V @ 800mA", ADAM Inventory Number 1=E00040, componentlink1description=Datasheet, componentlink1url=http://www.st.com/content/ccc/resource/technical/document/datasheet/99/3b/7d/91/91/51/4b/be/CD00000544.pdf/files/CD00000544.pdf/jcr:content/translations/en.CD00000544.pdf, componentlink2description="DigiKey Link", componentlink2url=https://www.digikey.com/en/products/detail/stmicroelectronics/LD1117S33TR/585766, lastupdated="2023-03-27 20:01:10", Lifecycle Status=Active, Manufacturer Part Number 1=LD1117S33TR, Minimum Order=1, Mounting Type="Surface Mount", Number of Regulators=1, Output Configuration=Positive, Output Type=Fixed, packaging=TapeAndReel, Part Status=Active, price=0.21, Protection Features="Over Current, Over Temperature", PSRR="75dB (120Hz)", series=-, Supplier 1=DigiKey
U8: "No Description Available", Manufacturer Part Number 1=ESP32-WROOM-32D-N4, Mfr_Name="Espressif Systems", Supplier Part Number 1=1965-ESP32-WROOM-32D-N4TR-ND, ADAM Inventory Number 1=E00044, Copyright="Copyright (C) 2023 Ultra Librarian. All rights reserved.", RefDes=RefDes, Supplier 1=Digi-Key, Type=DEV

## Free pads (board coordinates)
  round 275.59 hole 118.11: 0(680,3344) 0(1640,340) 0(3712.52,1102.01)

## Via types
v1: diameter 19.68, hole 11.81, Top Layer to Bottom Layer, 154 vias
v2: diameter 36, hole 20, Top Layer to Bottom Layer, 32 vias
v3: diameter 50, hole 27.56, Top Layer to Bottom Layer, 17 vias

## Nets (pads, with @x,y where several pads share a name; then routed paths per layer and width w, separated by ;. In a path a pad name is that pad's centre, name@x,y a point inside that pad or via, vN(x,y) a via of type N, cw(c..) or ccw(c..) an arc to the next point about the centre after c; other vN are vias at no path point)
3.3V: 3V3.1 C1.2 C2.2 C4.2 C5.2 C6.2 C9.2 C10.2 C31.1 R1.2 R2.2 R3.2 R6.2 R9.2 R25.2 R26.2 R27.2 R28.2 U1.5 U1.8 U2.5 U2.6 U3.5 U3.6 U7.2 U7.4 | length 9020.9
  Top Layer w10: C2.2@1237.7,1012.3 C2.2@1240,1014.61 1240,1100 1245.31,1105.31 U1.5@1245.31,1122.2 ; U1.8@1312.64,1130.47 1370,1130.47 ; C1.2@1399.92,1130.47 C1.2@1400.39,1130 ; 1840,2365 1858.14,2383.14 U2.5@1858.14,2413.98 ; 1862.5,2365 1877.83,2380.33 U2.6@1877.83,2413.98 ; U3.5@1994.53,1843.23 1994.53,1772.56 2005.89,1761.2 C10.2@2006.39,1761.2 ; U3.6@2014.21,1843.23 2074.14,1843.23 2080,1837.37 C9.2@2080,1765
  Top Layer w20: v3(590,180) 738.28,180 750,168.28 U7.2@750,100.98 ; v3(590,350) 749.02,350 U7.4@750,349.02 ; C31.1@1021.46,225 1026.46,220 v3(1170,220) ; v3(1170,1010) 1172.3,1012.3 C2.2@1237.7,1012.3 ; v3(1170,1470) 1172.5,1472.5 1231.91,1472.5 R2.2@1234.41,1475 ; 3V3.1@1200,1930 1175,1905 v3(1175,1800) 1183.12,1800 1203.12,1820 1218.28,1820 ; R1.2@1234.41,1635 R3.2@1234.41,1745 1234.41,1803.87 1218.28,1820 ; v3(1360,1010) 1360,1120.47 1370,1130.47 C1.2@1399.92,1130.47 ; v2(1685,1820) 1218.28,1820 ; C4.2@1807.98,2324.61 1807.98,2357.98 1815,2365 1840,2365 1862.5,2365 1885,2365 ; C5.2@1867.98,2324.61 1870,2326.62 1870,2350 1885,2365 ; C6.2@1927.98,2324.61 1930,2326.62 1930,2355 1940,2365 ; C10.2@2020,1765 C9.2@2080,1765 2136.45,1765 2145,1756.45 v2(2145,1735) v2(2355,1735) ; R6.2@2225.59,2040 2225.59,2041.97 2232.32,2048.7 2263.7,2048.7 2285,2070 2285,2119.41 R9.2@2285.59,2120 v2(2390,2120) ; v2(3600,1842.59) 3604.33,1842.59 3622.51,1824.41 R26.2@3675,1824.41 R25.2@3750,1824.41 ; v2@3600.59,2090 R28.2@3600.59,2150 3600.59,2190 ; R27.2@3600.59,2250 3600.59,2190 ; 1885,2365 1940,2365 ; 1940,2365 2357.98,2365 2387.98,2335 v2(2390,2335) 2390,2280 2405,2265 2985,2265 3045,2205 3585.59,2205 3600.59,2190
  Bottom Layer w20: v3(590,350) v3(590,180) 1130,180 v3(1170,220) v3(1170,1010) ; v3(1175,1800) 1172.5,1797.5 1172.5,1472.5 v3(1170,1470) 1170,1415 1169.68,1414.68 1169.68,1219.43 1170,1219.11 v3(1170,1010) ; v3(1360,1010) v3(1170,1010) ; v2(1685,1820) 1775,1820 1860,1735 v2(2145,1735) ; v2(2355,1735) 2355,2070 2390,2105 v2(2390,2120) v2(2390,2335) ; v2(3600,1842.59) v2@3600,2089.41
  other v2: 3600,2090